# Altium PCB RK_NVR_DEMO1_RK3588_LP4XD200P232SD8_V21_20211228_final_lint.PcbDoc (part 27 of 29) (continued)
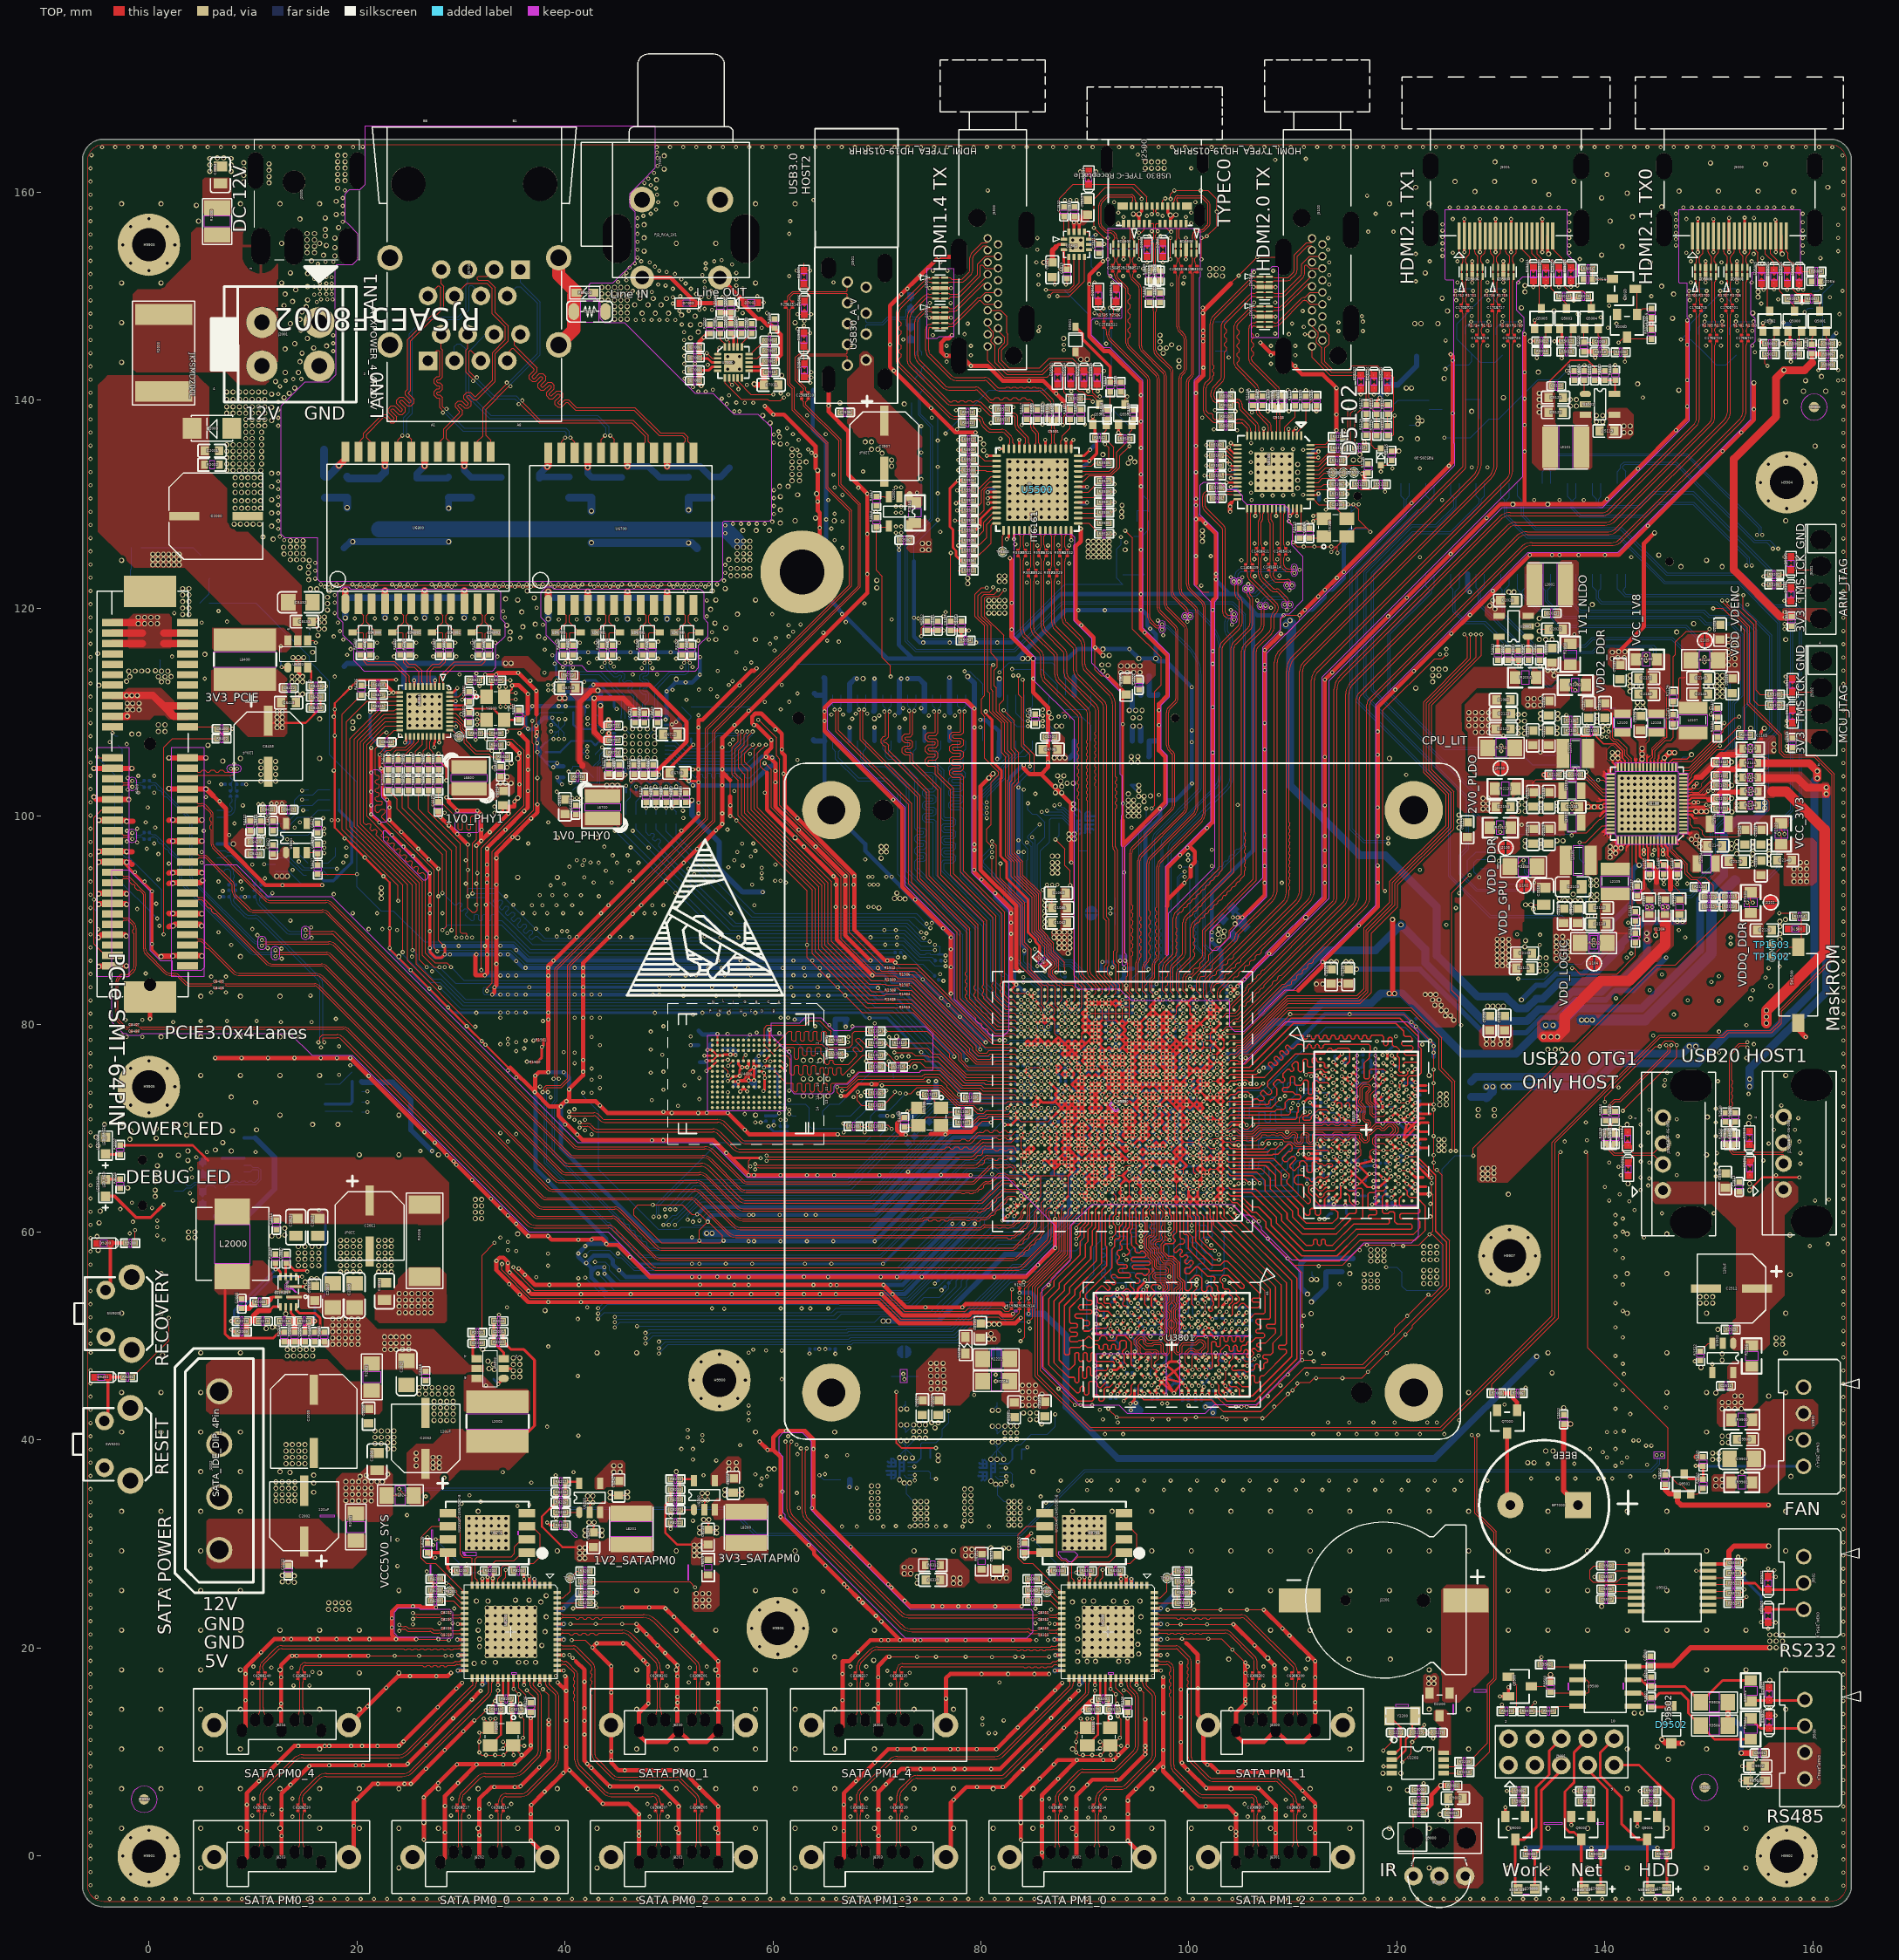
[diagram p0: TOP view]
## Nets (pads, with @x,y where several pads share a name; then routed paths per layer and width w, separated by ;. In a path a pad name is that pad's centre, name@x,y a point inside that pad or via, vN(x,y) a via of type N, cw(c..) or ccw(c..) an arc to the next point about the centre after c; other vN are vias at no path point) (continued)

## Polygon pours and split planes (outlines as drawn)
VCC12V_PCIE30 on BOTTOM "BOTTOM-VCC12V_PCIE30" (solid, pour order 183): 1.719,116.574 -2.041,116.574 -2.447,116.98 -2.447,119.825 -1.533,120.739 -0.618,120.739 -0.212,120.739 1.007,119.52 1.617,119.52 1.82,119.317 1.82,118.707 1.82,116.675
VDD_CPU_BIG0_P on BOTTOM "BOTTOM-VDD_CPU_BIG0_P" (solid, pour order 232): 30 vertices, not listed, extent 76.496,38.799 81.297,49.086
VCC_OVDD33 on BOTTOM "BOTTOM-VCC_OVDD33" (solid, pour order 196): 22 vertices, not listed, extent 112.158,133.541 118.254,139.332
VDDQ_DRAM on BOTTOM "BOTTOM-VDDQ_DRAM" (solid, pour order 169): 18 vertices, not listed, extent 121.179,54.824 124.232,59.224
VDD_VDENC on BOTTOM "BOTTOM-VDD_VDENC" (solid, pour order 61): 26 vertices, not listed, extent 95.267,71.184 97.553,74.105
VCC3V3_PHY1 on BOTTOM "BOTTOM-VCC3V3_PHY1" (solid, pour order 79): 28.008,107.48 29.836,107.48 30.243,107.887 31.157,107.887 31.665,107.379 32.072,107.379 32.275,107.176 32.275,106.464 31.259,106.464 28.211,106.464 28.109,106.566 27.703,106.972 27.703,107.176
VCC5V_HDMI_TX1 on BOTTOM "BOTTOM-VCC5V_HDMI_TX1" (solid, pour order 109): 134.467,151.524 134.467,153.81 134.34,153.937 134.34,154.191 134.721,154.572 135.229,154.572 136.88,152.921 136.88,151.524 136.626,151.27 134.721,151.27
VDD_IVDD10 on BOTTOM "BOTTOM-VDD_IVDD10" (solid, pour order 95): 17 vertices, not listed, extent 103.725,126.53 106.468,129.985
VDD_CPU_LIT on BOTTOM "BOTTOM-VDD_CPU_LIT" (solid, pour order 99): 26 vertices, not listed, extent 89.679,71.057 92.092,75.502
VCC5V0_SYS on BOTTOM "BOTTOM-VCC5V0_SYS" (solid, pour order 106): 21 vertices, not listed, extent 131.927,147.46 134.086,152.54
VDDA_0V85 on BOTTOM "BOTTOM-VDDA_0V85" (solid, pour order 20): 95.699,79.998 95.699,80.709 95.8,80.81 97.324,80.81 97.324,79.998 97.223,79.998 96.816,79.591 96.105,79.591
VDD_DDR on BOTTOM "BOTTOM-VDD_DDR" (solid, pour order 29): 22 vertices, not listed, extent 95.267,66.866 97.807,69.025
VCC3V3_SATAPM0 on BOTTOM "BOTTOM-VCC3V3_SATAPM0" (solid, pour order 67): 36.466,25.972 36.466,26.734 36.339,26.861 32.91,26.861 32.783,26.734 32.783,25.845 32.91,25.718 36.339,25.718 36.466,25.845
VCC4V0_SYS on BOTTOM "BOTTOM-VCC4V0_SYS" (solid, pour order 43): 140.047,102.223 140.047,100.749 139.92,100.622 138.269,100.622 138.142,100.749 138.142,102.096 138.396,102.35 139.92,102.35
N17759951 on BOTTOM "BOTTOM-N17759951" (solid, pour order 74): 89.907,98.59 90.619,98.59 90.619,99.302 93.667,99.302 93.768,99.2 93.768,98.489 93.768,98.286 93.463,97.981 91.228,97.981 90.009,97.981 89.907,98.082
VBUS5V0_TYPEC0 on BOTTOM "BOTTOM-VBUS5V0_TYPEC0" (solid, pour order 132): 18 vertices, not listed, extent 94.276,157.315 99.153,159.55
VCC4V0_SYS on BOTTOM "BOTTOM-VCC4V0_SYS 1" (solid, pour order 175): 20 vertices, not listed, extent 145.381,96.05 150.08,100.876
VCC_1V8 on BOTTOM "BOTTOM-VCC_1V8" (solid, pour order 125): 18 vertices, not listed, extent 51.909,76.035 56.583,78.372
VCC3V3_PI6C_05 on BOTTOM "BOTTOM-VCC3V3_PI6C_05" (solid, pour order 172): 19 vertices, not listed, extent 11.269,100.114 19.753,103.772
VCCA_1V8 on BOTTOM "BOTTOM-VCCA_1V8" (solid, pour order 6): 92.955,79.591 92.854,79.591 92.549,79.896 92.447,79.998 92.244,79.998 92.143,80.099 91.939,80.302 91.939,80.506 92.143,80.709 92.854,80.709 92.955,80.607 93.159,80.607 93.463,80.302 93.463,79.896 93.159,79.591
VDD_NPU on BOTTOM "BOTTOM-VDD_NPU" (solid, pour order 103): 28 vertices, not listed, extent 88.587,75.629 91.457,79.185
VCCA_1V8 on BOTTOM "BOTTOM-VCCA_1V8 1" (solid, pour order 3): 18 vertices, not listed, extent 89.501,64.554 90.619,66.282
VCC_OVDD33_6161 on BOTTOM "BOTTOM-VCC_OVDD33_6161" (solid, pour order 225): 45 vertices, not listed, extent 85.843,129.68 95.699,139.027
VCC12V_DCIN on BOTTOM "BOTTOM-VCC12V_DCIN" (solid, pour order 186): -0.009,125.21 0.195,125.413 0.296,125.514 3.039,125.514 3.243,125.311 3.243,122.162 2.633,121.552 2.328,121.552 -0.313,121.552 -1.025,122.263 -1.025,125.108 -0.11,125.108
VDD_CPU_BIG1 on BOTTOM "BOTTOM-VDD_CPU_BIG1" (solid, pour order 206): 20 vertices, not listed, extent 72.762,43.244 76.699,49.213
VCC5V_HDMI_TX2 on BOTTOM "BOTTOM-VCC5V_HDMI_TX2" (solid, pour order 208): 113.479,146.444 112.869,146.444 112.463,146.038 112.463,143.599 113.479,142.583 120.489,142.583 120.794,142.888 120.794,144.615 120.591,144.818 119.676,144.818 119.422,145.072 115.561,145.072 114.901,145.733 114.19,145.733
VDD_GPU on BOTTOM "BOTTOM-VDD_GPU" (solid, pour order 177): 131.97,87.719 131.97,85.179 131.563,84.773 129.125,84.773 128.719,84.773 128.617,84.874 128.617,87.922 128.617,89.04 129.227,89.65 130.344,89.65 130.954,89.04 130.954,88.634 131.055,88.532 131.36,88.532 131.97,87.922
VCC12V_DCIN on BOTTOM "BOTTOM-VCC12V_DCIN 1" (solid, pour order 147): 96.791,108.268 96.029,108.268 95.902,108.141 95.902,106.236 95.648,105.982 94.276,105.982 94.2,105.906 94.175,105.906 93.87,105.601 93.87,104.051 93.971,103.95 96.918,103.95 97.172,104.204 97.172,108.014 96.918,108.268
VCC4V0_SYS on BOTTOM "BOTTOM-VCC4V0_SYS 2" (solid, pour order 181): 17 vertices, not listed, extent 68.724,32.068 71.873,37.199
VDD_CPU_BIG1_P on BOTTOM "BOTTOM-VDD_CPU_BIG1_P" (solid, pour order 231): 26 vertices, not listed, extent 67.657,38.926 72.508,49.213
PHY0_REG_OUT on BOTTOM "BOTTOM-PHY0_REG_OUT" (solid, pour order 40): 45.48,104.178 45.48,104.709 45.483,104.712 45.483,104.814 45.407,104.89 45,104.89 43.73,103.62 43.73,102.858 43.933,102.654 45.356,102.654 45.48,102.778
VDD_CPU_BIG1 on BOTTOM "BOTTOM-VDD_CPU_BIG1 1" (solid, pour order 92): 26 vertices, not listed, extent 88.663,67.12 90.72,71.438
VDD_IVDD12_6161 on BOTTOM "BOTTOM-VDD_IVDD12_6161" (solid, pour order 28): 90.415,134.963 90.517,134.963 90.822,135.268 91.228,135.268 91.635,135.674 91.635,137.3 91.533,137.402 90.72,137.402 90.619,137.3 90.619,135.674 90.212,135.268 90.212,135.166
VCC_1V8 on BOTTOM "BOTTOM-VCC_1V8 1" (solid, pour order 121): 17 vertices, not listed, extent 88.536,112.814 92.651,114.948
VCC4V0_SYS on BOTTOM "BOTTOM-VCC4V0_SYS 3" (solid, pour order 207): 24 vertices, not listed, extent 89.907,99.505 95.394,104.585
VCCIO_PHY1 on BOTTOM "BOTTOM-VCCIO_PHY1" (solid, pour order 192): 35 vertices, not listed, extent 21.023,105.093 28.236,110.274
N17758514 on BOTTOM "BOTTOM-N17758514" (solid, pour order 76): 17 vertices, not listed, extent 67.759,37.313 71.772,38.621
VDD_NPU_P on BOTTOM "BOTTOM-VDD_NPU_P" (solid, pour order 230): 23 vertices, not listed, extent 88.383,90.767 94.683,97.371
N17187559 on BOTTOM "BOTTOM-N17187559" (solid, pour order 149): 97.578,146.952 97.273,147.257 97.273,150.61 97.375,150.711 98.899,150.711 99.102,150.508 99.102,148.781 99.305,148.578 100.525,148.578 100.728,148.374 100.829,148.273 100.829,147.054 100.728,146.952
VDD_PVCC12_6161 on BOTTOM "BOTTOM-VDD_PVCC12_6161" (solid, pour order 45): 90.212,137.402 90.111,137.503 88.993,137.503 88.688,137.198 88.688,135.979 88.587,135.878 88.587,135.471 88.688,135.37 90.111,135.37 90.212,135.471
VCC5V_HDMI_TX0 on BOTTOM "BOTTOM-VCC5V_HDMI_TX0" (solid, pour order 100): 156.412,152.642 156.412,153.556 156.76,153.904 156.76,154.216 156.862,154.318 157.174,154.318 158.825,152.667 159.097,152.395 159.097,151.219 158.894,151.016 158.571,151.016 157.065,151.016 156.862,151.219 156.862,152.192
VCC5V0_SYS on BOTTOM "BOTTOM-VCC5V0_SYS 1" (solid, pour order 138): 26 vertices, not listed, extent 153.611,147.155 156.539,152.286
VCC3V3_SATAPM1 on BOTTOM "BOTTOM-VCC3V3_SATAPM1" (solid, pour order 50): 90.568,16.396 93.032,16.396 93.235,16.193 93.489,16.193 93.743,16.447 93.743,17.336 93.667,17.412 90.568,17.412 90.441,17.285 90.441,16.523
VCC5V0_SYS on BOTTOM "BOTTOM-VCC5V0_SYS 2" (solid, pour order 150): 18 vertices, not listed, extent 92.955,111.189 97.68,114.846
VCC3V3_PCIE30 on BOTTOM "BOTTOM-VCC3V3_PCIE30" (solid, pour order 247): 20 vertices, not listed, extent -2.396,107.938 13.301,112.586
VDDA_0V75 on BOTTOM "BOTTOM-VDDA_0V75" (solid, pour order 213): 36 vertices, not listed, extent 70.299,51.143 89.907,66.282
VCC5V0_SYS on BOTTOM "BOTTOM-VCC5V0_SYS 3" (solid, pour order 115): 119.778,145.225 120.794,145.225 120.997,145.225 122.521,146.749 122.521,147.663 122.216,147.968 121.2,147.968 119.981,147.968 119.473,147.46 119.473,145.53
VDD_CPU_LIT on BOTTOM "BOTTOM-VDD_CPU_LIT 1" (solid, pour order 69): 70.705,93.51 70.705,92.596 71.416,91.885 71.416,91.072 71.721,90.767 72.94,90.767 72.94,92.291 71.619,93.612 70.807,93.612
VCC5V_FT232_DEBUG on BOTTOM "BOTTOM-VCC5V_FT232_DEBUG" (solid, pour order 96): 17 vertices, not listed, extent 1.287,60.897 7.002,63.31
VCCA_1V8 on BOTTOM "BOTTOM-VCCA_1V8 2" (solid, pour order 2): 95.8,79.591 95.902,79.591 96.105,79.388 97.019,79.388 97.223,79.591 97.324,79.591 97.426,79.49 97.426,78.982 97.121,78.677 96.918,78.88 96.105,78.88 95.902,78.677 95.699,78.677 95.699,79.49
VDD_CPU_BIG0 on BOTTOM "BOTTOM-VDD_CPU_BIG0" (solid, pour order 117): 26 vertices, not listed, extent 91.457,69.152 95.14,72.378
VDD_GPU on BOTTOM "BOTTOM-VDD_GPU 1" (solid, pour order 108): 21 vertices, not listed, extent 94.505,74.994 97.426,77.788
VDDQ_DDR on BOTTOM "BOTTOM-VDDQ_DDR" (solid, pour order 136): 35 vertices, not listed, extent 96.029,66.104 101.363,72.962
N16397971 on BOTTOM "BOTTOM-N16397971" (solid, pour order 143): 74.058,121.857 74.058,119.723 74.363,119.418 75.683,119.418 76.699,120.434 78.223,120.434 78.325,120.536 78.325,121.857 78.122,122.06 74.261,122.06
VCC4V0_SYS on BOTTOM "BOTTOM-VCC4V0_SYS 4" (solid, pour order 180): 80.662,36.36 80.662,35.649 80.649,35.636 80.649,32.055 80.535,31.941 77.868,31.941 77.512,32.296 77.512,34.328 77.512,35.344 77.512,36.411 78.173,37.072 79.239,37.072 79.544,37.072 79.951,37.072 79.951,36.36
VCC4V0_SYS on BOTTOM "BOTTOM-VCC4V0_SYS 5" (solid, pour order 159): 17 vertices, not listed, extent 77.309,118.707 82.897,121.044
VCCA_PVCC33_6161 on BOTTOM "BOTTOM-VCCA_PVCC33_6161" (solid, pour order 34): 86.758,135.37 88.18,135.37 88.282,135.471 88.282,135.979 88.485,136.182 88.485,137.198 88.383,137.3 87.469,137.3 87.367,137.198 87.367,136.487 87.266,136.386 87.063,136.182 86.656,135.776 86.656,135.471
VCC_3V3 on BOTTOM "BOTTOM-VCC_3V3" (solid, pour order 112): 120.692,139.434 122.419,139.434 122.623,139.23 122.623,138.621 122.724,138.519 122.724,137.605 122.623,137.503 122.115,136.995 119.27,136.995 119.067,137.198 119.067,138.011 119.27,138.214 120.083,138.214 120.489,138.621 120.489,139.23
VCC_1V1_NLDO on BOTTOM "BOTTOM-VCC_1V1_NLDO" (solid, pour order 256): 36 vertices, not listed, extent 134.205,101.003 150.766,115.151
VDD_ASPVCC10 on BOTTOM "BOTTOM-VDD_ASPVCC10" (solid, pour order 10): 104.741,131.814 104.843,131.712 104.843,130.188 104.335,130.188 103.928,130.594 103.928,131.712 104.03,131.814
VCCA_ASPVCC33 on BOTTOM "BOTTOM-VCCA_ASPVCC33" (solid, pour order 4): 109.821,128.664 109.618,128.664 109.516,128.664 108.805,129.375 108.399,129.375 108.297,129.477 108.297,129.68 108.399,129.782 109.923,129.782 109.923,128.766
VCC5V0_SYS on BOTTOM "BOTTOM-VCC5V0_SYS 4" (solid, pour order 86): 90.72,142.075 90.72,143.091 90.72,143.396 90.72,143.904 90.314,144.31 89.298,144.31 88.383,143.396 88.383,142.99 88.383,141.974 88.587,141.77 90.415,141.77
VDDA_0V75_PMU on BOTTOM "BOTTOM-VDDA_0V75_PMU" (solid, pour order 229): 23 vertices, not listed, extent 151.883,92.901 157.573,107.328
VCC5V0_SYS_P on BOTTOM "BOTTOM-VCC5V0_SYS_P" (solid, pour order 134): 28.236,39.561 28.236,37.732 28.185,37.681 28.185,37.173 27.931,36.919 25.696,36.919 25.29,37.326 25.29,37.935 25.29,39.256 25.29,39.662 25.391,39.764 25.798,39.764 28.033,39.764
VDD1V2_SATAPM0 on BOTTOM "BOTTOM-VDD1V2_SATAPM0" (solid, pour order 83): 24 vertices, not listed, extent 36.593,16.193 40.149,20.003
VDD_NVDD12_6161 on BOTTOM "BOTTOM-VDD_NVDD12_6161" (solid, pour order 166): 18 vertices, not listed, extent 82.999,124.803 89.196,127.546
VCCA_1V8 on BOTTOM "BOTTOM-VCCA_1V8 3" (solid, pour order 18): 20 vertices, not listed, extent 86.555,66.282 87.571,69.533
VDD_IVDD10 on BOTTOM "BOTTOM-VDD_IVDD10 1" (solid, pour order 63): 103.623,135.37 103.623,135.471 103.623,137.706 104.131,138.214 105.147,138.214 105.351,138.011 105.351,137.3 104.944,136.894 104.843,136.894 104.843,135.37 104.741,135.268 103.725,135.268
VCC_3V3 on BOTTOM "BOTTOM-VCC_3V3 1" (solid, pour order 60): 55.973,73.698 57.599,73.698 57.802,73.495 58.615,73.495 58.716,73.597 58.716,75.832 58.411,76.137 58.005,76.137 57.903,76.035 57.903,75.019 57.497,74.613 56.278,74.613 55.973,74.308
VCC5V0_SYS on BOTTOM "BOTTOM-VCC5V0_SYS 5" (solid, pour order 102): 99.864,145.428 100.779,145.428 100.982,145.225 100.982,142.99 100.677,142.685 99.153,142.685 98.645,143.193 98.645,144.818 98.645,145.123 98.95,145.428
VCC_3V3 on BOTTOM "BOTTOM-VCC_3V3 2" (solid, pour order 97): 17 vertices, not listed, extent 91.533,127.851 94.378,131.407
VCC4V0_SYS on BOTTOM "BOTTOM-VCC4V0_SYS 6" (solid, pour order 174): 19 vertices, not listed, extent 139.971,104.305 147.083,106.845
VDD_CPU_BIG1_MEM on BOTTOM "BOTTOM-VDD_CPU_BIG1_MEM" (solid, pour order 0): 90.72,69.431 90.72,68.72 91.33,68.11 91.533,68.11 91.635,68.212 91.635,69.025 91.127,69.533 90.822,69.533
VCC5V_HDMI_TX3 on BOTTOM "BOTTOM-VCC5V_HDMI_TX3" (solid, pour order 218): 82.389,141.364 87.164,141.364 87.875,141.364 88.079,141.567 88.079,142.786 88.079,143.904 87.774,144.209 86.25,144.209 84.929,145.53 83.71,145.53 82.999,146.241 81.271,146.241 80.967,145.936 80.967,144.717 80.967,142.786
VDD_CPU_LIT on BOTTOM "BOTTOM-VDD_CPU_LIT 2" (solid, pour order 156): 129.938,110.376 129.938,107.938 129.531,107.531 127.093,107.531 126.382,108.242 126.382,110.173 126.788,110.579 129.735,110.579
VDD1V2_SATAPM1 on BOTTOM "BOTTOM-VDD1V2_SATAPM1" (solid, pour order 124): 19 vertices, not listed, extent 86.885,21.908 89.806,26.861
VDD_GPU on BOTTOM "BOTTOM-VDD_GPU 2" (solid, pour order 84): 104.131,89.446 104.843,88.735 104.843,88.227 104.335,87.719 104.03,87.414 103.115,87.414 102.506,88.024 102.506,88.634 102.506,89.954 102.912,90.361 103.014,90.462 103.42,90.462 104.131,89.751
VDD1_1V8_DDR on BOTTOM "BOTTOM-VDD1_1V8_DDR" (solid, pour order 277): 55 vertices, not listed, extent 93.667,39.256 138.929,75.426
VDD_LOGIC on BOTTOM "BOTTOM-VDD_LOGIC" (solid, pour order 65): 17 vertices, not listed, extent 92.092,75.121 93.87,78.423
VDD_NPU on BOTTOM "BOTTOM-VDD_NPU 1" (solid, pour order 217): 28 vertices, not listed, extent 86.758,86.398 94.683,90.666
VDD1V2_SATAPM1 on BOTTOM "BOTTOM-VDD1V2_SATAPM1 1" (solid, pour order 82): 24 vertices, not listed, extent 93.997,16.193 97.553,20.003
VCC3V3_SATAPM1 on BOTTOM "BOTTOM-VCC3V3_SATAPM1 1" (solid, pour order 66): 93.87,25.972 93.87,26.734 93.743,26.861 90.314,26.861 90.187,26.734 90.187,25.845 90.314,25.718 93.743,25.718 93.87,25.845
GND on BOTTOM "BOTTOM-GND" (solid, shelved, pour order 309): -4.35,-4.373 cw(c-4.35,-2.849) -5.874,-2.849 -5.874,163.063 cw(c-4.35,163.063) -4.35,164.587 161.664,164.587 cw(c161.664,163.063) 163.188,163.063 163.188,-2.849 cw(c161.664,-2.849) 161.664,-4.373
VCC3V3_SATAPM0 on BOTTOM "BOTTOM-VCC3V3_SATAPM0 1" (solid, pour order 51): 33.164,16.396 35.628,16.396 35.831,16.193 36.085,16.193 36.339,16.447 36.339,17.336 36.263,17.412 33.164,17.412 33.037,17.285 33.037,16.523
N17758921 on BOTTOM "BOTTOM-N17758921" (solid, pour order 73): 18 vertices, not listed, extent 76.598,37.224 80.56,38.545
VDDA0V75_IMAGE on BOTTOM "BOTTOM-VDDA0V75_IMAGE" (solid, pour order 240): 160.723,103.061 160.723,83.147 153.306,75.73 153.306,73.698 153.407,73.597 154.627,73.597 154.931,73.902 154.931,75.324 162.247,82.639 162.247,102.959 161.84,103.366 161.027,103.366
VDD_AVCC12_6161 on BOTTOM "BOTTOM-VDD_AVCC12_6161" (solid, pour order 116): 25 vertices, not listed, extent 82.186,135.37 86.453,139.23
VDDA0V75_IMAGE on BOTTOM "BOTTOM-VDDA0V75_IMAGE 1" (solid, pour order 22): 99.559,77.356 99.153,77.356 99.051,77.254 99.051,75.629 99.255,75.426 99.255,74.613 99.458,74.41 99.763,74.41 100.067,74.714 100.067,75.629 99.966,75.73 99.763,75.73 99.661,75.832 99.661,77.254
VCCA_TPVCC33 on BOTTOM "BOTTOM-VCCA_TPVCC33" (solid, pour order 111): 110.227,136.284 112.361,136.284 112.869,135.776 113.58,135.776 113.783,135.979 113.783,137.198 112.869,138.113 110.532,138.113 110.024,137.605 110.024,136.487
VCC3V3_PHY1 on BOTTOM "BOTTOM-VCC3V3_PHY1 1" (solid, pour order 71): 22.318,110.097 22.318,112.662 22.369,112.713 23.923,112.713 23.923,112.02 23.944,112.02 23.944,111.062 23.639,110.757 23.639,109.919 23.385,109.665 22.75,109.665
VDD_IVDD12_6161 on BOTTOM "BOTTOM-VDD_IVDD12_6161 1" (solid, pour order 244): 49 vertices, not listed, extent 74.261,123.381 85.64,139.027
VDD2_DDR on BOTTOM "BOTTOM-VDD2_DDR" (solid, pour order 32): 116.603,69.152 117.238,69.152 117.492,68.898 117.492,68.136 117.746,67.882 117.873,67.882 118.127,67.628 118.127,67.501 118,67.374 116.222,67.374 115.968,67.628 115.968,67.755 116.222,68.009 116.476,68.009 116.476,69.025
VDD_DDR on BOTTOM "BOTTOM-VDD_DDR 1" (solid, pour order 39): 17 vertices, not listed, extent 96.41,69.787 99.458,72.327
VDD1V2_SATAPM0 on BOTTOM "BOTTOM-VDD1V2_SATAPM0 1" (solid, pour order 123): 19 vertices, not listed, extent 29.481,21.908 32.402,26.861
VDDQ_DDR on BOTTOM "BOTTOM-VDDQ_DDR 1" (solid, pour order 261): 28 vertices, not listed, extent 115.714,50.838 129.836,66.993
VDD_RDVDD12_6161 on BOTTOM "BOTTOM-VDD_RDVDD12_6161" (solid, pour order 62): 82.795,127.546 81.373,127.546 81.17,127.343 81.17,125.514 81.17,125.006 81.475,124.702 82.186,124.702 82.491,125.006 82.491,125.413 82.491,126.327 82.694,126.53 82.694,126.734 82.897,126.937 82.897,127.445
VDD_CPU_BIG0 on BOTTOM "BOTTOM-VDD_CPU_BIG0 1" (solid, pour order 221): 22 vertices, not listed, extent 81.551,43.117 86.885,49.111
VDD2_DDR on BOTTOM "BOTTOM-VDD2_DDR 1" (solid, pour order 126): 116.753,58.865 117.059,59.171 119.397,59.171 120.119,58.448 120.119,57.047 119.992,56.92 119.484,56.92 117.325,56.92 116.897,56.92 116.476,57.341 116.476,58.587
VCC_2V0_PLDO on BOTTOM "BOTTOM-VCC_2V0_PLDO" (solid, pour order 1): 144.111,97.574 143.349,97.574 143.349,96.304 143.4,96.254 143.527,96.127 143.654,96.127 143.984,96.127 144.111,96.254
VCCA1V8_PLDO6 on BOTTOM "BOTTOM-VCCA1V8_PLDO6" (solid, pour order 19): 147.159,105.702 147.159,104.94 148.556,104.94 148.683,105.067 148.683,105.144 148.734,105.194 148.734,105.906 148.429,106.21 148.023,106.21 148.023,106.185 147.921,106.083 147.54,106.083
VCC_3V3 on BOTTOM "BOTTOM-VCC_3V3 3" (solid, pour order 228): 26 vertices, not listed, extent 18.483,107.734 35.069,115.253
VBUS5V0_TYPEC0 on BOTTOM "BOTTOM-VBUS5V0_TYPEC0 1" (solid, pour order 171): 100.22,149.086 101.541,149.086 101.947,149.492 101.947,150.203 102.049,150.305 102.76,150.305 104.081,150.305 104.182,150.406 104.182,152.692 103.827,153.048 101.083,153.048 100.017,153.048 99.915,152.946 99.915,151.422 100.22,151.118
VCCA_ASPVCC33 on BOTTOM "BOTTOM-VCCA_ASPVCC33 1" (solid, pour order 57): 101.896,131.204 101.795,131.306 101.795,132.83 102.303,133.338 103.217,133.338 103.827,132.728 103.827,132.017 103.623,131.814 103.623,131.204 103.319,131.204
VDD_TAVCC10 on BOTTOM "BOTTOM-VDD_TAVCC10" (solid, pour order 127): 106.265,136.284 109.821,136.284 109.923,136.386 109.923,137.402 109.008,138.316 106.062,138.316 105.757,138.011 105.757,137.402 106.062,137.097 106.062,136.487
VCCA1V8_IMAGE on BOTTOM "BOTTOM-VCCA1V8_IMAGE" (solid, pour order 194): 40 vertices, not listed, extent 100.347,75.629 110.024,83.96
VCC4V0_SYS on BOTTOM "BOTTOM-VCC4V0_SYS 7" (solid, pour order 133): 143.095,96.812 143.095,95.669 143.031,95.606 140.237,95.606 139.856,95.606 139.463,96 139.463,98.159 139.844,98.54 141.241,98.54 141.317,98.463 141.495,98.286 141.495,97.27 141.622,97.143 142.765,97.143
VDD_TDVDD12_6161 on BOTTOM "BOTTOM-VDD_TDVDD12_6161" (solid, pour order 59): 82.186,135.37 83.811,135.37 83.913,135.471 83.913,137.3 83.507,137.706 82.389,137.706 82.186,137.503
VDDA_0V85 on BOTTOM "BOTTOM-VDDA_0V85 1" (solid, pour order 77): 23 vertices, not listed, extent 82.694,66.866 86.758,69.533
VDD_LOGIC on BOTTOM "BOTTOM-VDD_LOGIC 1" (solid, pour order 153): 134.103,89.954 134.103,87.11 135.221,85.992 136.847,85.992 136.948,86.094 136.948,88.735 135.627,90.056 134.205,90.056
VCC_OVDD33 on BOTTOM "BOTTOM-VCC_OVDD33 1" (solid, pour order 41): 102.506,133.744 103.623,133.744 103.725,133.642 104.03,133.642 104.436,134.049 104.741,134.049 104.944,134.252 104.944,134.76 104.741,134.963 104.639,135.065 102.607,135.065 102.506,134.963 102.303,134.76 102.303,133.947
VCC_3V3 on BOTTOM "BOTTOM-VCC_3V3 4" (solid, pour order 30): 89.196,104.991 88.079,104.991 87.367,104.991 86.859,104.991 86.758,105.093 86.758,105.906 87.367,105.906 88.282,105.906 89.196,105.906 89.298,105.804 89.298,105.093
VDD_ASPVCC10 on BOTTOM "BOTTOM-VDD_ASPVCC10 1" (solid, pour order 160): 32 vertices, not listed, extent 106.163,126.734 111.751,129.883
VDD_CPU_LIT_P on TOP "TOP-VDD_CPU_LIT_P" (solid, pour order 199): 18 vertices, not listed, extent 130.065,103.874 136.618,107.43
VCC3V3_PHY0 on TOP "TOP-VCC3V3_PHY0" (solid, pour order 190): 35 vertices, not listed, extent 40.53,104.839 51.325,113.856
VCC5V0_SYS on TOP "TOP-VCC5V0_SYS" (solid, pour order 195): 18 vertices, not listed, extent 150.766,41.288 154.728,47.587
VCC4V0_SYS on TOP "TOP-VCC4V0_SYS" (solid, pour order 120): 140.301,136.284 142.333,136.284 142.739,136.69 142.739,138.621 142.13,139.23 140.403,139.23 140.199,139.027 140.199,136.386
N21892034 on TOP "TOP-N21892034" (solid, pour order 255): 5.757,42.609 5.516,42.85 5.516,46.228 5.516,47.219 6.087,47.79 7.307,47.79 16.247,47.79 17.162,47.79 19.295,45.657 22.242,45.657 22.445,45.454 22.445,42.812 22.14,42.507 5.859,42.507
VDDA_0V75_PMU_P on TOP "TOP-VDDA_0V75_PMU_P" (solid, pour order 80): 22 vertices, not listed, extent 147.972,102.858 153.596,107.099
PMIC1_SW2 on TOP "TOP-PMIC1_SW2" (solid, pour order 137): 17 vertices, not listed, extent 137.685,103.645 140.809,107.43
VCC5V0_SYS on TOP "TOP-VCC5V0_SYS 1" (solid, pour order 128): 94.175,112.713 96.003,112.713 96.816,113.526 96.816,114.846 96.715,114.948 94.175,114.948 93.463,114.948 93.159,114.643 93.159,113.018 93.26,112.916 93.463,112.713
VCC4V0_SYS_P on TOP "TOP-VCC4V0_SYS_P" (solid, pour order 268): 21 vertices, not listed, extent 4.665,60.694 28.846,67.183
VCC_3V3 on TOP "TOP-VCC_3V3" (solid, pour order 114): 161.866,119.368 161.231,120.003 157.421,120.003 157.167,120.003 157.04,119.876 157.04,118.987 157.167,118.86 157.421,118.86 157.548,118.86 159.326,118.86 159.453,118.86 160.342,117.971 161.358,117.971 161.866,118.479
N21756849 on TOP "TOP-N21756849" (solid, pour order 151): 5.173,161.176 5.173,157.823 5.275,157.722 7.815,157.722 7.916,157.823 7.916,161.176 7.713,161.379 5.376,161.379
PMIC1_SW4 on TOP "TOP-PMIC1_SW4" (solid, pour order 129): 146.156,106.325 145.305,105.474 145.102,105.271 144.898,105.271 144.898,106.134 146.956,108.192 146.956,108.369 146.956,108.573 149.75,108.573 149.75,107.43 149.369,107.43 148.226,106.287 146.702,106.287 146.664,106.325
VCC5V0_USB20_HOST on TOP "TOP-VCC5V0_USB20_HOST" (solid, pour order 259): 34 vertices, not listed, extent 144.467,48.603 158.589,65.062
VDD_VDENC_P on TOP "TOP-VDD_VDENC_P" (solid, pour order 179): 19 vertices, not listed, extent 147.032,110.147 149.496,117.59
VDD_GPU on TOP "TOP-VDD_GPU" (solid, pour order 250): 17 vertices, not listed, extent 125.467,84.671 132.224,96
VDD_GPU_P on TOP "TOP-VDD_GPU_P" (solid, pour order 185): 136.669,92.825 136.796,92.952 136.796,94.349 136.796,96.558 136.796,97.143 135.399,97.143 134.434,96.177 132.732,96.177 132.732,94.476 132.351,94.095 132.351,92.825
VCC4V0_SYS on TOP "TOP-VCC4V0_SYS 1" (solid, pour order 87): 11.675,96.66 12.488,96.66 12.895,97.066 13.301,97.066 13.504,96.863 13.504,95.034 13.504,94.628 13.504,94.12 13.301,93.917 12.183,93.917 11.574,94.526 11.574,95.136 11.574,96.558
VCC_1V8_P on TOP "TOP-VCC_1V8_P" (solid, pour order 168): 145.813,115.608 144.111,115.608 143.984,115.481 143.984,110.02 144.111,109.893 144.162,109.893 144.162,109.589 144.289,109.462 145.559,109.462 145.813,109.462 145.813,109.716 145.813,112.103 146.295,112.586 146.295,115.456 146.143,115.608
GND on TOP "TOP-GND" (solid, shelved, pour order 303): -4.35,-4.373 cw(c-4.35,-2.849) -5.874,-2.849 -5.874,163.063 cw(c-4.35,163.063) -4.35,164.587 161.664,164.587 cw(c161.664,163.063) 163.188,163.063 163.188,-2.849 cw(c161.664,-2.849) 161.664,-4.373
VCC5V0_USB30_HOST2 on TOP "TOP-VCC5V0_USB30_HOST2" (solid, pour order 237): 25 vertices, not listed, extent 67.149,129.68 74.363,144.717
VCCA3V3_PI6C_05 on TOP "TOP-VCCA3V3_PI6C_05" (solid, pour order 81): 9.948,96.05 8.932,96.05 7.815,97.168 7.815,97.676 9.034,98.895 10.05,98.895 10.05,96.152
PMIC1_SW10 on TOP "TOP-PMIC1_SW10" (solid, pour order 37): 143.984,105.779 143.984,106.49 143.984,106.998 144.162,107.176 144.289,107.303 144.289,108.446 145.559,108.446 145.94,108.446 145.94,107.557 145.559,107.557 144.619,106.617 144.492,106.49 144.492,105.88 144.289,105.677 144.086,105.677
VDDQ_DDR_P on TOP "TOP-VDDQ_DDR_P" (solid, pour order 205): 31 vertices, not listed, extent 150.156,91.072 156.76,96.355
VCC_3V3 on TOP "TOP-VCC_3V3 1" (solid, pour order 118): 37.355,112.967 36.085,114.237 34.18,114.237 33.926,114.491 33.926,115.126 34.18,115.38 36.466,115.38 37.926,113.919 39.958,113.919 39.971,113.932 40.123,113.932 40.123,113.119 39.971,112.967 39.768,112.967 38.879,112.967
PMIC1_SW1 on TOP "TOP-PMIC1_SW1" (solid, pour order 119): 27 vertices, not listed, extent 137.939,94.222 140.733,98.768
VDDA_0V75_P on TOP "TOP-VDDA_0V75_P" (solid, pour order 5): 153.636,100.521 153.636,101.334 153.471,101.499 152.633,101.499 152.417,101.283 152.417,100.648 152.582,100.483 153.598,100.483
VDDA_0V75_P on TOP "TOP-VDDA_0V75_P 1" (solid, pour order 21): 150.969,100.368 150.334,100.368 150.207,100.495 150.207,100.749 148.048,100.749 148.429,101.13 148.81,101.13 148.937,101.257 149.064,101.384 150.715,101.384 150.842,101.257 150.969,101.13 150.969,101.003
VDDA0V75_IMAGE_P on TOP "TOP-VDDA0V75_IMAGE_P" (solid, pour order 8): 150.969,103.289 150.461,103.289 149.191,102.019 150.334,102.019 150.969,102.654
VCC4V0_SYS on TOP "TOP-VCC4V0_SYS 2" (solid, pour order 36): 143.273,106.033 143.273,107.049 143.273,107.176 142.765,107.684 142.765,108.7 142.892,108.827 143.781,108.827 143.908,108.827 144.035,108.7 144.035,107.303 143.908,107.176 143.908,106.033 143.781,105.906 143.4,105.906
VDDA_0V85 on TOP "TOP-VDDA_0V85" (solid, pour order 25): 155.592,102.908 154.525,102.908 154.398,102.781 154.398,102.019 154.652,101.765 155.465,101.765 156.074,101.765 156.1,101.74 156.252,101.74 156.354,101.842 156.354,102.756 156.252,102.858 155.947,102.858 155.643,102.858
N17849654 on TOP "TOP-N17849654" (solid, pour order 238): 124.248,20.714 124.248,25.591 124.756,26.099 128.515,26.099 128.82,25.794 128.82,22.695 128.82,17.615 126.483,15.278 125.975,14.77 124.553,14.77 124.248,15.075 124.248,18.377 124.248,20.206
VCC_3V3 on TOP "TOP-VCC_3V3 2" (solid, pour order 56): 88.079,106.617 88.079,106.109 88.383,105.804 88.383,105.296 88.282,105.194 86.961,105.194 86.758,105.398 86.758,107.836 87.063,108.141 87.469,108.141 88.079,107.531
VCC3V3_PHY0 on TOP "TOP-VCC3V3_PHY0 1" (solid, pour order 94): 45.711,104.382 43.883,104.382 43.476,104.788 42.613,104.788 42.206,105.194 41.495,105.194 41.393,105.093 41.393,103.569 41.495,103.467 41.597,103.366 42.46,103.366 45.508,103.366 45.61,103.467 46.016,103.874 46.016,104.077
VCC4V0_SYS on TOP "TOP-VCC4V0_SYS 3" (solid, pour order 48): 19 vertices, not listed, extent 147.438,96.381 150.258,98.667
VDD1V2_SATAPM1 on TOP "TOP-VDD1V2_SATAPM1" (solid, pour order 131): 78.503,27.877 78.884,27.496 78.884,26.353 78.376,25.845 76.09,25.845 75.709,26.226 75.709,27.623 75.709,28.512 75.785,28.588 77.792,28.588
VCCA1V8_IMAGE on TOP "TOP-VCCA1V8_IMAGE" (solid, pour order 46): 143.73,90.843 143.857,90.97 144.746,90.97 144.873,90.843 144.873,89.751 144.568,89.446 144.568,87.922 144.365,87.719 143.959,87.719 143.654,88.024 143.654,90.767

## Text inside footprints (layer, text, board x,y; h text height)
C1719: PIN_NUMBER "1" at 128.044,145.711 h0.64; PIN_NUMBER "2" at 128.044,146.212 h0.64 r180; ASSEMBLY_TOP "220nF" at 127.917,145.961 h0.25 r90
C1720: PIN_NUMBER "1" at 125.914,148.632 h0.64; PIN_NUMBER "2" at 125.914,149.133 h0.64 r180; ASSEMBLY_TOP "220nF" at 125.787,148.882 h0.25 r90
C1721: PIN_NUMBER "1" at 126.544,148.632 h0.64; PIN_NUMBER "2" at 126.544,149.133 h0.64 r180; ASSEMBLY_TOP "220nF" at 126.417,148.882 h0.25 r90
C1722: PIN_NUMBER "1" at 130.416,145.711 h0.64; PIN_NUMBER "2" at 130.416,146.212 h0.64 r180; ASSEMBLY_TOP "220nF" at 130.289,145.961 h0.25 r90
C1723: PIN_NUMBER "1" at 131.046,145.711 h0.64; PIN_NUMBER "2" at 131.046,146.212 h0.64 r180; ASSEMBLY_TOP "220nF" at 130.92,145.961 h0.25 r90
C1724: PIN_NUMBER "2" at 98.315,76.463 h0.64 r90; PIN_NUMBER "1" at 98.816,76.463 h0.64 r270; ASSEMBLY_TOP "100nF" at 98.311,76.336 h0.25 r180
C1725: PIN_NUMBER "2" at 98.315,77.077 h0.64 r90; PIN_NUMBER "1" at 98.816,77.077 h0.64 r270; ASSEMBLY_TOP "1uF" at 98.514,76.95 h0.25 r180
C1726: PIN_NUMBER "2" at 115.206,85.27 h0.25 r90; PIN_NUMBER "1" at 115.206,83.87 h0.25 r90; ASSEMBLY_TOP "4.7uF" at 114.926,84.57 h0.25 r90
C1727: PIN_NUMBER "2" at 99.601,76.109 h0.64; PIN_NUMBER "1" at 99.601,75.608 h0.64 r180; ASSEMBLY_TOP "1uF" at 99.677,75.859 h0.25 r270
C1729: PIN_NUMBER "2" at 99.839,77.632 h0.64 r90; PIN_NUMBER "1" at 100.339,77.632 h0.64 r270; ASSEMBLY_TOP "1uF" at 100.038,77.505 h0.25 r180
C1730: PIN_NUMBER "2" at 101.041,78.033 h0.64; PIN_NUMBER "1" at 101.041,77.533 h0.64 r180; ASSEMBLY_TOP "100nF" at 100.914,77.783 h0.25 r270
C1731: PIN_NUMBER "2" at 102.076,78.74 h0.2 r90; PIN_NUMBER "1" at 102.076,77.8 h0.2 r90; ASSEMBLY_TOP "4.7uF" at 101.775,78.27 h0.25 r270
C1801: PIN_NUMBER "2" at 83.02,66.929 h0.2 r270; PIN_NUMBER "1" at 83.02,67.869 h0.2 r270; ASSEMBLY_TOP "10uF" at 82.821,67.399 h0.25 r270
C1803: PIN_NUMBER "2" at 88.062,68.009 h0.2; PIN_NUMBER "1" at 87.122,68.009 h0.2; ASSEMBLY_TOP "4.7uF" at 87.164,67.882 h0.25 r180
C1804: PIN_NUMBER "2" at 87.915,64.455 h0.64 r90; PIN_NUMBER "1" at 88.415,64.455 h0.64 r270; ASSEMBLY_TOP "1uF" at 88.114,64.328 h0.25 r180
C1805: PIN_NUMBER "2" at 87.783,62.303 h0.2 r225; PIN_NUMBER "1" at 88.448,62.968 h0.2 r225; ASSEMBLY_TOP "4.7uF" at 87.815,62.636 h0.25 r270
C1806: PIN_NUMBER "2" at 92.901,83.046 h0.64 r180; PIN_NUMBER "1" at 92.901,83.546 h0.64; ASSEMBLY_TOP "1uF" at 92.977,83.296 h0.25 r270
C1807: PIN_NUMBER "2" at 91.085,64.834 h0.2; PIN_NUMBER "1" at 90.145,64.834 h0.2; ASSEMBLY_TOP "4.7uF" at 90.187,64.707 h0.25 r180
C1808: PIN_NUMBER "2" at 83.938,67.708 h0.64 r180; PIN_NUMBER "1" at 83.938,68.208 h0.64; ASSEMBLY_TOP "100nF" at 83.811,67.958 h0.25 r270
C1810: PIN_NUMBER "2" at 87.764,67.149 h0.64 r270; PIN_NUMBER "1" at 87.264,67.149 h0.64 r90; ASSEMBLY_TOP "100nF" at 87.26,67.022 h0.25 r180
C1812: PIN_NUMBER "2" at 88.673,66.308 h0.64 r45; PIN_NUMBER "1" at 89.027,65.954 h0.64 r225; ASSEMBLY_TOP "1uF" at 88.799,66.004 h0.25 r180
C1813: PIN_NUMBER "2" at 87.587,65.393 h0.2 r180; PIN_NUMBER "1" at 88.527,65.393 h0.2 r180; ASSEMBLY_TOP "4.7uF" at 87.629,65.266 h0.25 r180
C1814: PIN_NUMBER "2" at 90.364,65.672 h0.64 r270; PIN_NUMBER "1" at 89.864,65.672 h0.64 r90; ASSEMBLY_TOP "100nF" at 89.86,65.545 h0.25 r180
C1815: PIN_NUMBER "2" at 93.726,80.277 h0.2; PIN_NUMBER "1" at 92.787,80.277 h0.2; ASSEMBLY_TOP "4.7uF" at 92.828,80.15 h0.25 r180
C1816: PIN_NUMBER "2" at 85.941,66.514 h0.64 r180; PIN_NUMBER "1" at 85.941,67.015 h0.64; ASSEMBLY_TOP "1uF" at 86.018,66.765 h0.25 r270
C1819: PIN_NUMBER "2" at 86.83,65.583 h0.2 r270; PIN_NUMBER "1" at 86.83,66.523 h0.2 r270; ASSEMBLY_TOP "4.7uF" at 86.529,66.053 h0.25 r270
C1901: PIN_NUMBER "2" at 86.555,74.18 h0.64 r45; PIN_NUMBER "1" at 86.909,73.826 h0.64 r225; ASSEMBLY_TOP "100nF" at 86.478,73.876 h0.25 r180
C1902: PIN_NUMBER "2" at 87.958,77.384 h0.64; PIN_NUMBER "1" at 87.958,76.884 h0.64 r180; ASSEMBLY_TOP "100nF" at 87.831,77.134 h0.25 r270
C1903: PIN_NUMBER "2" at 92.31,66.081 h0.64 r270; PIN_NUMBER "1" at 91.81,66.081 h0.64 r90; ASSEMBLY_TOP "100nF" at 91.806,65.954 h0.25 r180
C1905: PIN_NUMBER "2" at 87.334,77.384 h0.64; PIN_NUMBER "1" at 87.334,76.884 h0.64 r180; ASSEMBLY_TOP "100nF" at 87.207,77.134 h0.25 r270
C2000: PIN_NUMBER "2" at 9.246,128.834 h0.64 r270; PIN_NUMBER "1" at 3.146,128.834 h0.64 r90; ASSEMBLY_TOP "100uF" at 5.942,128.707 h0.25
C2001: PIN_NUMBER "2" at 6.667,135.137 h0.25; PIN_NUMBER "1" at 5.267,135.137 h0.25; ASSEMBLY_TOP "100nF" at 5.561,135.01 h0.25
C2002: PIN_NUMBER "2" at 13.456,35.133 h0.25; PIN_NUMBER "1" at 13.456,30.233 h0.25; Top Overlay "120uF" at 16.326,33.191 h0.25; ASSEMBLY_TOP "120uF" at 14.421,32.556 h0.25
C2003: PIN_NUMBER "2" at 13.301,27.02 h0.25 r270; PIN_NUMBER "1" at 13.301,27.92 h0.25 r270; ASSEMBLY_TOP "100nF" at 13.022,27.47 h0.25 r90
C2004: PIN_NUMBER "2" at 6.764,162.48 h0.25 r90; PIN_NUMBER "1" at 6.764,160.83 h0.25 r90; ASSEMBLY_TOP "2.2uF" at 6.484,161.655 h0.25 r90
C2005: PIN_NUMBER "2" at 15.587,38.746 h0.64 r180; PIN_NUMBER "1" at 15.587,44.846 h0.64; ASSEMBLY_TOP "100uF" at 15.46,41.796 h0.25 r90
C2006: PIN_NUMBER "2" at 21.023,41.604 h0.25 r270; PIN_NUMBER "1" at 21.023,43.004 h0.25 r270; ASSEMBLY_TOP "100nF" at 20.743,42.304 h0.25 r90
C2007: PIN_NUMBER "2" at 17.944,54.93 h0.25 r90; PIN_NUMBER "1" at 17.944,52.39 h0.25 r90; ASSEMBLY_TOP "10uF" at 17.411,53.914 h0.25 r90
C2008: PIN_NUMBER "1" at 8.831,52.674 h0.25 r90; PIN_NUMBER "2" at 8.831,53.574 h0.25 r90; ASSEMBLY_TOP "220nF" at 8.551,53.124 h0.25 r90
C2009: PIN_NUMBER "2" at 20.034,54.93 h0.25 r90; PIN_NUMBER "1" at 20.034,52.39 h0.25 r90; ASSEMBLY_TOP "10uF" at 19.501,53.914 h0.25 r90
C2010: PIN_NUMBER "2" at 15.833,54.818 h0.25 r90; PIN_NUMBER "1" at 15.833,53.417 h0.25 r90; ASSEMBLY_TOP "100nF" at 15.554,54.117 h0.25 r90
C2011: PIN_NUMBER "2" at 22.293,58.142 h0.25 r180; PIN_NUMBER "1" at 22.293,63.042 h0.25 r180; Top Overlay "120uF" at 19.829,60.084 h0.25 r180; ASSEMBLY_TOP "120uF" at 20.718,60.465 h0.25
C2012: PIN_NUMBER "2" at 16.138,59.655 h0.25 r270; PIN_NUMBER "1" at 16.138,61.305 h0.25 r270; ASSEMBLY_TOP "22uF" at 15.96,60.48 h0.25 r90
C2013: PIN_NUMBER "2" at 14.024,59.655 h0.25 r270; PIN_NUMBER "1" at 14.024,61.305 h0.25 r270; ASSEMBLY_TOP "22uF" at 13.846,60.48 h0.25 r90
C2014: PIN_NUMBER "2" at 12.142,60.25 h0.25 r270; PIN_NUMBER "1" at 12.142,61.15 h0.25 r270; ASSEMBLY_TOP "100nF" at 11.863,60.7 h0.25 r90
C2015: PIN_NUMBER "2" at 22.553,55.135 h0.25 r90; PIN_NUMBER "1" at 22.553,53.485 h0.25 r90; ASSEMBLY_TOP "22uF" at 22.375,54.31 h0.25 r90
C2017: PIN_NUMBER "2" at 13.098,57.892 h0.25 r90; PIN_NUMBER "1" at 13.098,56.992 h0.25 r90; ASSEMBLY_TOP "100nF" at 12.818,57.442 h0.25 r90
C2019: PIN_NUMBER "2" at 11.313,51.448 h0.25; PIN_NUMBER "1" at 10.412,51.448 h0.25; ASSEMBLY_TOP "1uF" at 10.659,51.321 h0.25
C2020: PIN_NUMBER "2" at 131.247,120.739 h0.25; PIN_NUMBER "1" at 129.847,120.739 h0.25; ASSEMBLY_TOP "10uF" at 130.243,120.612 h0.25
C2021: PIN_NUMBER "2" at 130.587,115.906 h0.25 r90; PIN_NUMBER "1" at 130.587,115.006 h0.25 r90; ASSEMBLY_TOP "100pF" at 130.308,115.456 h0.25 r90
C2022: PIN_NUMBER "2" at 134.471,117.967 h0.25 r180; PIN_NUMBER "1" at 135.871,117.967 h0.25 r180; ASSEMBLY_TOP "22uF" at 134.867,117.84 h0.25
C2023: PIN_NUMBER "2" at 134.327,119.51 h0.25 r180; PIN_NUMBER "1" at 135.227,119.51 h0.25 r180; ASSEMBLY_TOP "100nF" at 134.371,119.383 h0.25
C2024: PIN_NUMBER "2" at 134.795,116.158 h0.25 r90; PIN_NUMBER "1" at 134.795,114.758 h0.25 r90; ASSEMBLY_TOP "10uF" at 134.617,115.458 h0.25 r90
C2025: PIN_NUMBER "2" at 132.537,115.006 h0.25 r270; PIN_NUMBER "1" at 132.537,115.906 h0.25 r270; ASSEMBLY_TOP "100nF" at 132.258,115.456 h0.25 r90
C2026: PIN_NUMBER "2" at 14.927,50.374 h0.25 r90; PIN_NUMBER "1" at 14.927,49.474 h0.25 r90; ASSEMBLY_TOP "DNP" at 14.85,49.924 h0.25 r90
C2027: PIN_NUMBER "2" at 24.528,45.454 h0.25 r270; PIN_NUMBER "1" at 24.528,47.994 h0.25 r270; ASSEMBLY_TOP "10uF" at 24.502,46.47 h0.25 r90
C2028: PIN_NUMBER "2" at 26.509,45.715 h0.25 r270; PIN_NUMBER "1" at 26.509,46.615 h0.25 r270; ASSEMBLY_TOP "100nF" at 26.23,46.165 h0.25 r90
C2029: PIN_NUMBER "2" at 32.155,45.86 h0.25 r180; PIN_NUMBER "1" at 33.055,45.86 h0.25 r180; ASSEMBLY_TOP "100nF" at 32.199,45.733 h0.25 r180
C2030: PIN_NUMBER "2" at 31.937,49.314 h0.25; PIN_NUMBER "1" at 31.037,49.314 h0.25; ASSEMBLY_TOP "100nF" at 31.081,49.187 h0.25
C2031: PIN_NUMBER "1" at 33.969,50.432 h0.25 r180; PIN_NUMBER "2" at 33.069,50.432 h0.25 r180; ASSEMBLY_TOP "22pF" at 33.215,50.305 h0.25
C2032: PIN_NUMBER "2" at 25.137,42.62 h0.25; PIN_NUMBER "1" at 25.137,37.72 h0.25; Top Overlay "120uF" at 28.008,40.678 h0.25; ASSEMBLY_TOP "120uF" at 26.103,40.043 h0.25
C2033: PIN_NUMBER "2" at 27.22,40.792 h0.25 r90; PIN_NUMBER "1" at 27.22,39.142 h0.25 r90; ASSEMBLY_TOP "22uF" at 27.042,39.967 h0.25 r270
C2034: PIN_NUMBER "2" at 25.595,40.316 h0.25 r90; PIN_NUMBER "1" at 25.595,39.415 h0.25 r90; ASSEMBLY_TOP "100nF" at 25.315,39.866 h0.25 r270
C2035: PIN_NUMBER "2" at 21.835,38.76 h0.25 r90; PIN_NUMBER "1" at 21.835,37.11 h0.25 r90; ASSEMBLY_TOP "22uF" at 21.658,37.935 h0.25 r90
C2100: PIN_NUMBER "2" at 134.51,109.684 h0.25 r270; PIN_NUMBER "1" at 134.51,111.084 h0.25 r270; ASSEMBLY_TOP "22uF" at 134.332,110.384 h0.25 r90
C2101: PIN_NUMBER "2" at 139.862,109.454 h0.25 r270; PIN_NUMBER "1" at 139.862,110.355 h0.25 r270; ASSEMBLY_TOP "100pF" at 139.583,109.905 h0.25 r270
C2102: PIN_NUMBER "2" at 132.873,86.805 h0.25; PIN_NUMBER "1" at 131.473,86.805 h0.25; ASSEMBLY_TOP "22uF" at 131.868,86.678 h0.25
C2103: PIN_NUMBER "2" at 140.391,101.638 h0.25; PIN_NUMBER "1" at 138.991,101.638 h0.25; ASSEMBLY_TOP "10uF" at 139.387,101.511 h0.25 r180
C2104: PIN_NUMBER "2" at 136.02,100.902 h0.25 r180; PIN_NUMBER "1" at 137.42,100.902 h0.25 r180; ASSEMBLY_TOP "10uF" at 136.415,100.775 h0.25
C2105: PIN_NUMBER "2" at 144.448,104.465 h0.25 r270; PIN_NUMBER "1" at 144.448,106.115 h0.25 r270; ASSEMBLY_TOP "22uF" at 144.27,105.29 h0.25 r270
C2106: PIN_NUMBER "2" at 139.895,109.447 h0.25 r270; PIN_NUMBER "1" at 139.895,110.847 h0.25 r270; ASSEMBLY_TOP "22uF" at 139.717,110.147 h0.25 r90
C2107: PIN_NUMBER "2" at 138.345,109.447 h0.25 r270; PIN_NUMBER "1" at 138.345,110.847 h0.25 r270; ASSEMBLY_TOP "10uF" at 138.167,110.147 h0.25 r90
C2108: PIN_NUMBER "2" at 127.944,95.854 h0.25 r90; PIN_NUMBER "1" at 127.944,94.954 h0.25 r90; ASSEMBLY_TOP "1uF" at 127.868,95.404 h0.25 r270
C2109: PIN_NUMBER "2" at 137.672,93.206 h0.25; PIN_NUMBER "1" at 136.022,93.206 h0.25; ASSEMBLY_TOP "47uF" at 136.542,93.079 h0.25
C2110: PIN_NUMBER "2" at 134.002,91.466 h0.25 r270; PIN_NUMBER "1" at 134.002,93.116 h0.25 r270; ASSEMBLY_TOP "47uF" at 133.824,92.291 h0.25 r90
C2111: PIN_NUMBER "2" at 132.771,85.382 h0.25; PIN_NUMBER "1" at 131.371,85.382 h0.25; ASSEMBLY_TOP "22uF" at 131.767,85.255 h0.25
C2114: PIN_NUMBER "2" at 140.555,103.15 h0.25 r270; PIN_NUMBER "1" at 140.555,104.8 h0.25 r270; ASSEMBLY_TOP "22uF" at 140.377,103.975 h0.25 r270
C2115: PIN_NUMBER "2" at 126.687,99.392 h0.25 r90; PIN_NUMBER "1" at 126.687,97.992 h0.25 r90; ASSEMBLY_TOP "22uF" at 126.509,98.692 h0.25 r90
C2116: PIN_NUMBER "2" at 132.986,97.357 h0.25 r270; PIN_NUMBER "1" at 132.986,98.757 h0.25 r270; ASSEMBLY_TOP "22uF" at 132.808,98.057 h0.25 r90
C2117: PIN_NUMBER "2" at 134.51,97.357 h0.25 r270; PIN_NUMBER "1" at 134.51,98.757 h0.25 r270; ASSEMBLY_TOP "10uF" at 134.332,98.057 h0.25 r90
C2118: PIN_NUMBER "2" at 133.76,98.267 h0.25 r270; PIN_NUMBER "1" at 133.76,99.167 h0.25 r270; ASSEMBLY_TOP "1uF" at 133.684,98.717 h0.25 r270
C2119: PIN_NUMBER "2" at 134.51,104.947 h0.25 r270; PIN_NUMBER "1" at 134.51,105.848 h0.25 r270; ASSEMBLY_TOP "1uF" at 134.434,105.398 h0.25 r270
C2120: PIN_NUMBER "2" at 132.96,108.231 h0.25 r90; PIN_NUMBER "1" at 132.96,106.831 h0.25 r90; ASSEMBLY_TOP "22uF" at 132.783,107.531 h0.25 r90
C2121: PIN_NUMBER "2" at 134.51,108.231 h0.25 r90; PIN_NUMBER "1" at 134.51,106.831 h0.25 r90; ASSEMBLY_TOP "22uF" at 134.332,107.531 h0.25 r90
C2122: PIN_NUMBER "2" at 130.823,108.382 h0.25; PIN_NUMBER "1" at 129.423,108.382 h0.25; ASSEMBLY_TOP "22uF" at 129.818,108.255 h0.25
C2123: PIN_NUMBER "2" at 130.851,109.843 h0.25; PIN_NUMBER "1" at 129.451,109.843 h0.25; ASSEMBLY_TOP "22uF" at 129.846,109.716 h0.25
C2126: PIN_NUMBER "2" at 143.298,109.654 h0.25 r90; PIN_NUMBER "1" at 143.298,108.254 h0.25 r90; ASSEMBLY_TOP "10uF" at 143.12,108.954 h0.25 r90
C2127: PIN_NUMBER "2" at 142.282,97.841 h0.25 r90; PIN_NUMBER "1" at 142.282,96.191 h0.25 r90; ASSEMBLY_TOP "22uF" at 142.104,97.016 h0.25 r270
C2128: PIN_NUMBER "2" at 155.936,89.04 h0.25; PIN_NUMBER "1" at 154.536,89.04 h0.25; ASSEMBLY_TOP "22uF" at 154.931,88.913 h0.25
C2129: PIN_NUMBER "2" at 153.193,95.644 h0.25; PIN_NUMBER "1" at 151.793,95.644 h0.25; ASSEMBLY_TOP "22uF" at 152.188,95.517 h0.25
C2130: PIN_NUMBER "2" at 154.906,95.734 h0.25 r90; PIN_NUMBER "1" at 154.906,94.334 h0.25 r90; ASSEMBLY_TOP "10uF" at 154.728,95.034 h0.25 r90
C2131: PIN_NUMBER "2" at 151.408,92.24 h0.25 r180; PIN_NUMBER "1" at 152.308,92.24 h0.25 r180; ASSEMBLY_TOP "1uF" at 151.655,92.113 h0.25
C2132: PIN_NUMBER "1" at 142.841,89.913 h0.25 r90; PIN_NUMBER "2" at 142.841,90.813 h0.25 r90; ASSEMBLY_TOP "1uF" at 142.765,90.363 h0.25 r90
C2133: PIN_NUMBER "2" at 138.661,91.174 h0.25 r180; PIN_NUMBER "1" at 140.061,91.174 h0.25 r180; ASSEMBLY_TOP "22uF" at 139.056,91.047 h0.25
C2134: PIN_NUMBER "2" at 138.661,89.624 h0.25 r180; PIN_NUMBER "1" at 140.061,89.624 h0.25 r180; ASSEMBLY_TOP "22uF" at 139.056,89.497 h0.25
C2135: PIN_NUMBER "2" at 137.266,91.111 h0.25 r90; PIN_NUMBER "1" at 137.266,89.711 h0.25 r90; ASSEMBLY_TOP "22uF" at 137.088,90.411 h0.25 r90
C2136: PIN_NUMBER "2" at 135.932,91.112 h0.25 r90; PIN_NUMBER "1" at 135.932,89.712 h0.25 r90; ASSEMBLY_TOP "22uF" at 135.754,90.412 h0.25 r90
C2137: PIN_NUMBER "1" at 150.352,92.24 h0.25 r180; PIN_NUMBER "2" at 149.452,92.24 h0.25 r180; ASSEMBLY_TOP "100pF" at 149.496,92.113 h0.25
C2138: PIN_NUMBER "2" at 147.17,99.632 h0.25 r180; PIN_NUMBER "1" at 148.57,99.632 h0.25 r180; ASSEMBLY_TOP "10uF" at 147.565,99.505 h0.25 r180
C2139: PIN_NUMBER "2" at 140.301,99.542 h0.25 r90; PIN_NUMBER "1" at 140.301,97.892 h0.25 r90; ASSEMBLY_TOP "22uF" at 140.123,98.717 h0.25 r270
C2140: PIN_NUMBER "2" at 156.467,95.746 h0.25 r180; PIN_NUMBER "1" at 157.867,95.746 h0.25 r180; ASSEMBLY_TOP "10uF" at 156.862,95.619 h0.25
C2141: PIN_NUMBER "2" at 154.906,97.281 h0.25 r270; PIN_NUMBER "1" at 154.906,98.681 h0.25 r270; ASSEMBLY_TOP "22uF" at 154.728,97.981 h0.25 r90
C2142: PIN_NUMBER "2" at 153.357,97.281 h0.25 r270; PIN_NUMBER "1" at 153.357,98.681 h0.25 r270; ASSEMBLY_TOP "10uF" at 153.179,97.981 h0.25 r90
C2143: PIN_NUMBER "2" at 146.489,108.859 h0.25 r270; PIN_NUMBER "1" at 146.489,109.759 h0.25 r270; ASSEMBLY_TOP "1uF" at 146.412,109.309 h0.25 r90
C2144: PIN_NUMBER "2" at 149.815,111.722 h0.25; PIN_NUMBER "1" at 148.415,111.722 h0.25; ASSEMBLY_TOP "22uF" at 148.81,111.595 h0.25
C2145: PIN_NUMBER "2" at 149.815,113.272 h0.25; PIN_NUMBER "1" at 148.415,113.272 h0.25; ASSEMBLY_TOP "22uF" at 148.81,113.145 h0.25
C2146: PIN_NUMBER "2" at 152.136,111.83 h0.25 r270; PIN_NUMBER "1" at 152.136,113.23 h0.25 r270; ASSEMBLY_TOP "22uF" at 151.958,112.53 h0.25 r90
C2147: PIN_NUMBER "2" at 142.587,104.469 h0.25 r270; PIN_NUMBER "1" at 142.587,105.869 h0.25 r270; ASSEMBLY_TOP "10uF" at 142.409,105.169 h0.25 r270
C2148: PIN_NUMBER "2" at 151.161,97.168 h0.25; PIN_NUMBER "1" at 149.761,97.168 h0.25; ASSEMBLY_TOP "10uF" at 150.156,97.041 h0.25
C2149: PIN_NUMBER "2" at 141.337,113.143 h0.25 r270; PIN_NUMBER "1" at 141.337,114.543 h0.25 r270; ASSEMBLY_TOP "10uF" at 141.159,113.843 h0.25 r90
C2150: PIN_NUMBER "2" at 143.132,111.722 h0.25 r180; PIN_NUMBER "1" at 144.532,111.722 h0.25 r180; ASSEMBLY_TOP "22uF" at 143.527,111.595 h0.25
C2151: PIN_NUMBER "2" at 143.132,113.272 h0.25 r180; PIN_NUMBER "1" at 144.532,113.272 h0.25 r180; ASSEMBLY_TOP "10uF" at 143.527,113.145 h0.25
C2152: PIN_NUMBER "2" at 132.986,100.913 h0.25 r270; PIN_NUMBER "1" at 132.986,102.313 h0.25 r270; ASSEMBLY_TOP "22uF" at 132.808,101.613 h0.25 r90
C2153: PIN_NUMBER "2" at 134.51,100.913 h0.25 r270; PIN_NUMBER "1" at 134.51,102.313 h0.25 r270; ASSEMBLY_TOP "10uF" at 134.332,101.613 h0.25 r90
C2154: PIN_NUMBER "2" at 130.823,100.896 h0.25; PIN_NUMBER "1" at 129.423,100.896 h0.25; ASSEMBLY_TOP "10uF" at 129.818,100.769 h0.25